# Allegro board LED_FIN.brd (continued)
## Placement (name value [footprint] x y rotation side) (continued)
D8173  0603_LED  [0603_SINGLE]  241.25 304 0 top
D8174  0603_LED  [0603_SINGLE]  243.25 304 0 top
D8175  0603_LED  [0603_SINGLE]  245.25 304 0 top
D8176  0603_LED  [0603_SINGLE]  247.25 304 0 top
D8177  0603_LED  [0603_SINGLE]  249.25 304 0 top
D8178  0603_LED  [0603_SINGLE]  251.25 304 0 top
D8179  0603_LED  [0603_SINGLE]  253.25 304 0 top
D8180  0603_LED  [0603_SINGLE]  255.25 304 0 top
D8181  0603_LED  [0603_SINGLE]  257.25 304 0 top
D8182  0603_LED  [0603_SINGLE]  259.25 304 0 top
D8183  0603_LED  [0603_SINGLE]  261.25 304 0 top
D8184  0603_LED  [0603_SINGLE]  263.25 304 0 top
D8185  0603_LED  [0603_SINGLE]  265.25 304 0 top
D8186  0603_LED  [0603_SINGLE]  267.25 304 0 top
D8187  0603_LED  [0603_SINGLE]  269.25 304 0 top
D8188  0603_LED  [0603_SINGLE]  271.25 304 0 top
D8189  0603_LED  [0603_SINGLE]  273.25 304 0 top
D8190  0603_LED  [0603_SINGLE]  275.25 304 0 top
D8191  0603_LED  [0603_SINGLE]  217.25 302 0 top
D8192  0603_LED  [0603_SINGLE]  219.25 302 0 top
D8193  0603_LED  [0603_SINGLE]  221.25 302 0 top
D8194  0603_LED  [0603_SINGLE]  223.25 302 0 top
D8195  0603_LED  [0603_SINGLE]  225.25 302 0 top
D8196  0603_LED  [0603_SINGLE]  227.25 302 0 top
D8197  0603_LED  [0603_SINGLE]  229.25 302 0 top
D8198  0603_LED  [0603_SINGLE]  231.25 302 0 top
D8199  0603_LED  [0603_SINGLE]  233.25 302 0 top
D8200  0603_LED  [0603_SINGLE]  235.25 302 0 top
D8201  0603_LED  [0603_SINGLE]  237.25 302 0 top
D8202  0603_LED  [0603_SINGLE]  239.25 302 0 top
D8203  0603_LED  [0603_SINGLE]  241.25 302 0 top
D8204  0603_LED  [0603_SINGLE]  243.25 302 0 top
D8205  0603_LED  [0603_SINGLE]  245.25 302 0 top
D8206  0603_LED  [0603_SINGLE]  247.25 302 0 top
D8207  0603_LED  [0603_SINGLE]  249.25 302 0 top
D8208  0603_LED  [0603_SINGLE]  251.25 302 0 top
D8209  0603_LED  [0603_SINGLE]  253.25 302 0 top
D8210  0603_LED  [0603_SINGLE]  255.25 302 0 top
D8211  0603_LED  [0603_SINGLE]  257.25 302 0 top
D8212  0603_LED  [0603_SINGLE]  259.25 302 0 top
D8213  0603_LED  [0603_SINGLE]  261.25 302 0 top
D8214  0603_LED  [0603_SINGLE]  263.25 302 0 top
D8215  0603_LED  [0603_SINGLE]  265.25 302 0 top
D8216  0603_LED  [0603_SINGLE]  267.25 302 0 top
D8217  0603_LED  [0603_SINGLE]  269.25 302 0 top
D8218  0603_LED  [0603_SINGLE]  271.25 302 0 top
D8219  0603_LED  [0603_SINGLE]  273.25 302 0 top
D8220  0603_LED  [0603_SINGLE]  275.25 302 0 top
D8221  0603_LED  [0603_SINGLE]  217.25 300 0 top
D8222  0603_LED  [0603_SINGLE]  219.25 300 0 top
D8223  0603_LED  [0603_SINGLE]  221.25 300 0 top
D8224  0603_LED  [0603_SINGLE]  223.25 300 0 top
D8225  0603_LED  [0603_SINGLE]  225.25 300 0 top
D8226  0603_LED  [0603_SINGLE]  227.25 300 0 top
D8227  0603_LED  [0603_SINGLE]  229.25 300 0 top
D8228  0603_LED  [0603_SINGLE]  231.25 300 0 top
D8229  0603_LED  [0603_SINGLE]  233.25 300 0 top
D8230  0603_LED  [0603_SINGLE]  235.25 300 0 top
D8231  0603_LED  [0603_SINGLE]  237.25 300 0 top
D8232  0603_LED  [0603_SINGLE]  239.25 300 0 top
D8233  0603_LED  [0603_SINGLE]  241.25 300 0 top
D8234  0603_LED  [0603_SINGLE]  243.25 300 0 top
D8235  0603_LED  [0603_SINGLE]  245.25 300 0 top
D8236  0603_LED  [0603_SINGLE]  247.25 300 0 top
D8237  0603_LED  [0603_SINGLE]  249.25 300 0 top
D8238  0603_LED  [0603_SINGLE]  251.25 300 0 top
D8239  0603_LED  [0603_SINGLE]  253.25 300 0 top
D8240  0603_LED  [0603_SINGLE]  255.25 300 0 top
D8241  0603_LED  [0603_SINGLE]  257.25 300 0 top
D8242  0603_LED  [0603_SINGLE]  259.25 300 0 top
D8243  0603_LED  [0603_SINGLE]  261.25 300 0 top
D8244  0603_LED  [0603_SINGLE]  263.25 300 0 top
D8245  0603_LED  [0603_SINGLE]  265.25 300 0 top
D8246  0603_LED  [0603_SINGLE]  267.25 300 0 top
D8247  0603_LED  [0603_SINGLE]  269.25 300 0 top
D8248  0603_LED  [0603_SINGLE]  271.25 300 0 top
D8249  0603_LED  [0603_SINGLE]  273.25 300 0 top
D8250  0603_LED  [0603_SINGLE]  275.25 300 0 top
D8251  0603_LED  [0603_SINGLE]  217.25 298 0 top
D8252  0603_LED  [0603_SINGLE]  219.25 298 0 top
D8253  0603_LED  [0603_SINGLE]  221.25 298 0 top
D8254  0603_LED  [0603_SINGLE]  223.25 298 0 top
D8255  0603_LED  [0603_SINGLE]  225.25 298 0 top
D8256  0603_LED  [0603_SINGLE]  227.25 298 0 top
D8257  0603_LED  [0603_SINGLE]  229.25 298 0 top
D8258  0603_LED  [0603_SINGLE]  231.25 298 0 top
D8259  0603_LED  [0603_SINGLE]  233.25 298 0 top
D8260  0603_LED  [0603_SINGLE]  235.25 298 0 top
D8261  0603_LED  [0603_SINGLE]  237.25 298 0 top
D8262  0603_LED  [0603_SINGLE]  239.25 298 0 top
D8263  0603_LED  [0603_SINGLE]  241.25 298 0 top
D8264  0603_LED  [0603_SINGLE]  243.25 298 0 top
D8265  0603_LED  [0603_SINGLE]  245.25 298 0 top
D8266  0603_LED  [0603_SINGLE]  247.25 298 0 top
D8267  0603_LED  [0603_SINGLE]  249.25 298 0 top
D8268  0603_LED  [0603_SINGLE]  251.25 298 0 top
D8269  0603_LED  [0603_SINGLE]  253.25 298 0 top
D8270  0603_LED  [0603_SINGLE]  255.25 298 0 top
D8271  0603_LED  [0603_SINGLE]  257.25 298 0 top
D8272  0603_LED  [0603_SINGLE]  259.25 298 0 top
D8273  0603_LED  [0603_SINGLE]  261.25 298 0 top
D8274  0603_LED  [0603_SINGLE]  263.25 298 0 top
D8275  0603_LED  [0603_SINGLE]  265.25 298 0 top
D8276  0603_LED  [0603_SINGLE]  267.25 298 0 top
D8277  0603_LED  [0603_SINGLE]  269.25 298 0 top
D8278  0603_LED  [0603_SINGLE]  271.25 298 0 top
D8279  0603_LED  [0603_SINGLE]  273.25 298 0 top
D8280  0603_LED  [0603_SINGLE]  275.25 298 0 top
D8281  0603_LED  [0603_SINGLE]  217.25 296 0 top
D8282  0603_LED  [0603_SINGLE]  219.25 296 0 top
D8283  0603_LED  [0603_SINGLE]  221.25 296 0 top
D8284  0603_LED  [0603_SINGLE]  223.25 296 0 top
D8285  0603_LED  [0603_SINGLE]  225.25 296 0 top
D8286  0603_LED  [0603_SINGLE]  227.25 296 0 top
D8287  0603_LED  [0603_SINGLE]  229.25 296 0 top
D8288  0603_LED  [0603_SINGLE]  231.25 296 0 top
D8289  0603_LED  [0603_SINGLE]  233.25 296 0 top
D8290  0603_LED  [0603_SINGLE]  235.25 296 0 top
D8291  0603_LED  [0603_SINGLE]  237.25 296 0 top
D8292  0603_LED  [0603_SINGLE]  239.25 296 0 top
D8293  0603_LED  [0603_SINGLE]  241.25 296 0 top
D8294  0603_LED  [0603_SINGLE]  243.25 296 0 top
D8295  0603_LED  [0603_SINGLE]  245.25 296 0 top
D8296  0603_LED  [0603_SINGLE]  247.25 296 0 top
D8297  0603_LED  [0603_SINGLE]  249.25 296 0 top
D8298  0603_LED  [0603_SINGLE]  251.25 296 0 top
D8299  0603_LED  [0603_SINGLE]  253.25 296 0 top
D8300  0603_LED  [0603_SINGLE]  255.25 296 0 top
D8301  0603_LED  [0603_SINGLE]  257.25 296 0 top
D8302  0603_LED  [0603_SINGLE]  259.25 296 0 top
D8303  0603_LED  [0603_SINGLE]  261.25 296 0 top
D8304  0603_LED  [0603_SINGLE]  263.25 296 0 top
D8305  0603_LED  [0603_SINGLE]  265.25 296 0 top
D8306  0603_LED  [0603_SINGLE]  267.25 296 0 top
D8307  0603_LED  [0603_SINGLE]  269.25 296 0 top
D8308  0603_LED  [0603_SINGLE]  271.25 296 0 top
D8309  0603_LED  [0603_SINGLE]  273.25 296 0 top
D8310  0603_LED  [0603_SINGLE]  275.25 296 0 top
D8311  0603_LED  [0603_SINGLE]  217.25 294 0 top
D8312  0603_LED  [0603_SINGLE]  219.25 294 0 top
D8313  0603_LED  [0603_SINGLE]  221.25 294 0 top
D8314  0603_LED  [0603_SINGLE]  223.25 294 0 top
D8315  0603_LED  [0603_SINGLE]  225.25 294 0 top
D8316  0603_LED  [0603_SINGLE]  227.25 294 0 top
D8317  0603_LED  [0603_SINGLE]  229.25 294 0 top
D8318  0603_LED  [0603_SINGLE]  231.25 294 0 top
D8319  0603_LED  [0603_SINGLE]  233.25 294 0 top
D8320  0603_LED  [0603_SINGLE]  235.25 294 0 top
D8321  0603_LED  [0603_SINGLE]  237.25 294 0 top
D8322  0603_LED  [0603_SINGLE]  239.25 294 0 top
D8323  0603_LED  [0603_SINGLE]  241.25 294 0 top
D8324  0603_LED  [0603_SINGLE]  243.25 294 0 top
D8325  0603_LED  [0603_SINGLE]  245.25 294 0 top
D8326  0603_LED  [0603_SINGLE]  247.25 294 0 top
D8327  0603_LED  [0603_SINGLE]  249.25 294 0 top
D8328  0603_LED  [0603_SINGLE]  251.25 294 0 top
D8329  0603_LED  [0603_SINGLE]  253.25 294 0 top
D8330  0603_LED  [0603_SINGLE]  255.25 294 0 top
D8331  0603_LED  [0603_SINGLE]  257.25 294 0 top
D8332  0603_LED  [0603_SINGLE]  259.25 294 0 top
D8333  0603_LED  [0603_SINGLE]  261.25 294 0 top
D8334  0603_LED  [0603_SINGLE]  263.25 294 0 top
D8335  0603_LED  [0603_SINGLE]  265.25 294 0 top
D8336  0603_LED  [0603_SINGLE]  267.25 294 0 top
D8337  0603_LED  [0603_SINGLE]  269.25 294 0 top
D8338  0603_LED  [0603_SINGLE]  271.25 294 0 top
D8339  0603_LED  [0603_SINGLE]  273.25 294 0 top
D8340  0603_LED  [0603_SINGLE]  275.25 294 0 top
D8341  0603_LED  [0603_SINGLE]  217.25 292 0 top
D8342  0603_LED  [0603_SINGLE]  219.25 292 0 top
D8343  0603_LED  [0603_SINGLE]  221.25 292 0 top
D8344  0603_LED  [0603_SINGLE]  223.25 292 0 top
D8345  0603_LED  [0603_SINGLE]  225.25 292 0 top
D8346  0603_LED  [0603_SINGLE]  227.25 292 0 top
D8347  0603_LED  [0603_SINGLE]  229.25 292 0 top
D8348  0603_LED  [0603_SINGLE]  231.25 292 0 top
D8349  0603_LED  [0603_SINGLE]  233.25 292 0 top
D8350  0603_LED  [0603_SINGLE]  235.25 292 0 top
D8351  0603_LED  [0603_SINGLE]  237.25 292 0 top
D8352  0603_LED  [0603_SINGLE]  239.25 292 0 top
D8353  0603_LED  [0603_SINGLE]  241.25 292 0 top
D8354  0603_LED  [0603_SINGLE]  243.25 292 0 top
D8355  0603_LED  [0603_SINGLE]  245.25 292 0 top
D8356  0603_LED  [0603_SINGLE]  247.25 292 0 top
D8357  0603_LED  [0603_SINGLE]  249.25 292 0 top
D8358  0603_LED  [0603_SINGLE]  251.25 292 0 top
D8359  0603_LED  [0603_SINGLE]  253.25 292 0 top
D8360  0603_LED  [0603_SINGLE]  255.25 292 0 top
D8361  0603_LED  [0603_SINGLE]  257.25 292 0 top
D8362  0603_LED  [0603_SINGLE]  259.25 292 0 top
D8363  0603_LED  [0603_SINGLE]  261.25 292 0 top
D8364  0603_LED  [0603_SINGLE]  263.25 292 0 top
D8365  0603_LED  [0603_SINGLE]  265.25 292 0 top
D8366  0603_LED  [0603_SINGLE]  267.25 292 0 top
D8367  0603_LED  [0603_SINGLE]  269.25 292 0 top
D8368  0603_LED  [0603_SINGLE]  271.25 292 0 top
D8369  0603_LED  [0603_SINGLE]  273.25 292 0 top
D8370  0603_LED  [0603_SINGLE]  275.25 292 0 top
D8371  0603_LED  [0603_SINGLE]  217.25 290 0 top
D8372  0603_LED  [0603_SINGLE]  219.25 290 0 top
D8373  0603_LED  [0603_SINGLE]  221.25 290 0 top
D8374  0603_LED  [0603_SINGLE]  223.25 290 0 top
D8375  0603_LED  [0603_SINGLE]  225.25 290 0 top
D8376  0603_LED  [0603_SINGLE]  227.25 290 0 top
D8377  0603_LED  [0603_SINGLE]  229.25 290 0 top
D8378  0603_LED  [0603_SINGLE]  231.25 290 0 top
D8379  0603_LED  [0603_SINGLE]  233.25 290 0 top
D8380  0603_LED  [0603_SINGLE]  235.25 290 0 top
D8381  0603_LED  [0603_SINGLE]  237.25 290 0 top
D8382  0603_LED  [0603_SINGLE]  239.25 290 0 top
D8383  0603_LED  [0603_SINGLE]  241.25 290 0 top
D8384  0603_LED  [0603_SINGLE]  243.25 290 0 top
D8385  0603_LED  [0603_SINGLE]  245.25 290 0 top
D8386  0603_LED  [0603_SINGLE]  247.25 290 0 top
D8387  0603_LED  [0603_SINGLE]  249.25 290 0 top
D8388  0603_LED  [0603_SINGLE]  251.25 290 0 top
D8389  0603_LED  [0603_SINGLE]  253.25 290 0 top
D8390  0603_LED  [0603_SINGLE]  255.25 290 0 top
D8391  0603_LED  [0603_SINGLE]  257.25 290 0 top
D8392  0603_LED  [0603_SINGLE]  259.25 290 0 top
D8393  0603_LED  [0603_SINGLE]  261.25 290 0 top
D8394  0603_LED  [0603_SINGLE]  263.25 290 0 top
D8395  0603_LED  [0603_SINGLE]  265.25 290 0 top
D8396  0603_LED  [0603_SINGLE]  267.25 290 0 top
D8397  0603_LED  [0603_SINGLE]  269.25 290 0 top
D8398  0603_LED  [0603_SINGLE]  271.25 290 0 top
D8399  0603_LED  [0603_SINGLE]  273.25 290 0 top
D8400  0603_LED  [0603_SINGLE]  275.25 290 0 top
D8401  0603_LED  [0603_SINGLE]  217.25 288 0 top
D8402  0603_LED  [0603_SINGLE]  219.25 288 0 top
D8403  0603_LED  [0603_SINGLE]  221.25 288 0 top
D8404  0603_LED  [0603_SINGLE]  223.25 288 0 top
D8405  0603_LED  [0603_SINGLE]  225.25 288 0 top
D8406  0603_LED  [0603_SINGLE]  227.25 288 0 top
D8407  0603_LED  [0603_SINGLE]  229.25 288 0 top
D8408  0603_LED  [0603_SINGLE]  231.25 288 0 top
D8409  0603_LED  [0603_SINGLE]  233.25 288 0 top
D8410  0603_LED  [0603_SINGLE]  235.25 288 0 top
D8411  0603_LED  [0603_SINGLE]  237.25 288 0 top
D8412  0603_LED  [0603_SINGLE]  239.25 288 0 top
D8413  0603_LED  [0603_SINGLE]  241.25 288 0 top
D8414  0603_LED  [0603_SINGLE]  243.25 288 0 top
D8415  0603_LED  [0603_SINGLE]  245.25 288 0 top
D8416  0603_LED  [0603_SINGLE]  247.25 288 0 top
D8417  0603_LED  [0603_SINGLE]  249.25 288 0 top
D8418  0603_LED  [0603_SINGLE]  251.25 288 0 top
D8419  0603_LED  [0603_SINGLE]  253.25 288 0 top
D8420  0603_LED  [0603_SINGLE]  255.25 288 0 top
D8421  0603_LED  [0603_SINGLE]  257.25 288 0 top
D8422  0603_LED  [0603_SINGLE]  259.25 288 0 top
D8423  0603_LED  [0603_SINGLE]  261.25 288 0 top
D8424  0603_LED  [0603_SINGLE]  263.25 288 0 top
D8425  0603_LED  [0603_SINGLE]  265.25 288 0 top
D8426  0603_LED  [0603_SINGLE]  267.25 288 0 top
D8427  0603_LED  [0603_SINGLE]  269.25 288 0 top
D8428  0603_LED  [0603_SINGLE]  271.25 288 0 top
D8429  0603_LED  [0603_SINGLE]  273.25 288 0 top
D8430  0603_LED  [0603_SINGLE]  275.25 288 0 top
D8431  0603_LED  [0603_SINGLE]  217.25 286 0 top
D8432  0603_LED  [0603_SINGLE]  219.25 286 0 top
D8433  0603_LED  [0603_SINGLE]  221.25 286 0 top
D8434  0603_LED  [0603_SINGLE]  223.25 286 0 top
D8435  0603_LED  [0603_SINGLE]  225.25 286 0 top
D8436  0603_LED  [0603_SINGLE]  227.25 286 0 top
D8437  0603_LED  [0603_SINGLE]  229.25 286 0 top
D8438  0603_LED  [0603_SINGLE]  231.25 286 0 top
D8439  0603_LED  [0603_SINGLE]  233.25 286 0 top
D8440  0603_LED  [0603_SINGLE]  235.25 286 0 top
D8441  0603_LED  [0603_SINGLE]  237.25 286 0 top
D8442  0603_LED  [0603_SINGLE]  239.25 286 0 top
D8443  0603_LED  [0603_SINGLE]  241.25 286 0 top
D8444  0603_LED  [0603_SINGLE]  243.25 286 0 top
D8445  0603_LED  [0603_SINGLE]  245.25 286 0 top
D8446  0603_LED  [0603_SINGLE]  247.25 286 0 top
D8447  0603_LED  [0603_SINGLE]  249.25 286 0 top
D8448  0603_LED  [0603_SINGLE]  251.25 286 0 top
D8449  0603_LED  [0603_SINGLE]  253.25 286 0 top
D8450  0603_LED  [0603_SINGLE]  255.25 286 0 top
D8451  0603_LED  [0603_SINGLE]  257.25 286 0 top
D8452  0603_LED  [0603_SINGLE]  259.25 286 0 top
D8453  0603_LED  [0603_SINGLE]  261.25 286 0 top
D8454  0603_LED  [0603_SINGLE]  263.25 286 0 top
D8455  0603_LED  [0603_SINGLE]  265.25 286 0 top
D8456  0603_LED  [0603_SINGLE]  267.25 286 0 top
D8457  0603_LED  [0603_SINGLE]  269.25 286 0 top
D8458  0603_LED  [0603_SINGLE]  271.25 286 0 top
D8459  0603_LED  [0603_SINGLE]  273.25 286 0 top
D8460  0603_LED  [0603_SINGLE]  275.25 286 0 top
D8461  0603_LED  [0603_SINGLE]  217.25 284 0 top
D8462  0603_LED  [0603_SINGLE]  219.25 284 0 top
D8463  0603_LED  [0603_SINGLE]  221.25 284 0 top
D8464  0603_LED  [0603_SINGLE]  223.25 284 0 top
D8465  0603_LED  [0603_SINGLE]  225.25 284 0 top
D8466  0603_LED  [0603_SINGLE]  227.25 284 0 top
D8467  0603_LED  [0603_SINGLE]  229.25 284 0 top
D8468  0603_LED  [0603_SINGLE]  231.25 284 0 top
D8469  0603_LED  [0603_SINGLE]  233.25 284 0 top
D8470  0603_LED  [0603_SINGLE]  235.25 284 0 top
D8471  0603_LED  [0603_SINGLE]  237.25 284 0 top
D8472  0603_LED  [0603_SINGLE]  239.25 284 0 top
D8473  0603_LED  [0603_SINGLE]  241.25 284 0 top
D8474  0603_LED  [0603_SINGLE]  243.25 284 0 top
D8475  0603_LED  [0603_SINGLE]  245.25 284 0 top
D8476  0603_LED  [0603_SINGLE]  247.25 284 0 top
D8477  0603_LED  [0603_SINGLE]  249.25 284 0 top
D8478  0603_LED  [0603_SINGLE]  251.25 284 0 top
D8479  0603_LED  [0603_SINGLE]  253.25 284 0 top
D8480  0603_LED  [0603_SINGLE]  255.25 284 0 top
D8481  0603_LED  [0603_SINGLE]  257.25 284 0 top
D8482  0603_LED  [0603_SINGLE]  259.25 284 0 top
D8483  0603_LED  [0603_SINGLE]  261.25 284 0 top
D8484  0603_LED  [0603_SINGLE]  263.25 284 0 top
D8485  0603_LED  [0603_SINGLE]  265.25 284 0 top
D8486  0603_LED  [0603_SINGLE]  267.25 284 0 top
D8487  0603_LED  [0603_SINGLE]  269.25 284 0 top
D8488  0603_LED  [0603_SINGLE]  271.25 284 0 top
D8489  0603_LED  [0603_SINGLE]  273.25 284 0 top
D8490  0603_LED  [0603_SINGLE]  275.25 284 0 top
D8491  0603_LED  [0603_SINGLE]  217.25 282 0 top
D8492  0603_LED  [0603_SINGLE]  219.25 282 0 top
D8493  0603_LED  [0603_SINGLE]  221.25 282 0 top
D8494  0603_LED  [0603_SINGLE]  223.25 282 0 top
D8495  0603_LED  [0603_SINGLE]  225.25 282 0 top
D8496  0603_LED  [0603_SINGLE]  227.25 282 0 top
D8497  0603_LED  [0603_SINGLE]  229.25 282 0 top
D8498  0603_LED  [0603_SINGLE]  231.25 282 0 top
D8499  0603_LED  [0603_SINGLE]  233.25 282 0 top
D8500  0603_LED  [0603_SINGLE]  235.25 282 0 top
D8501  0603_LED  [0603_SINGLE]  237.25 282 0 top
D8502  0603_LED  [0603_SINGLE]  239.25 282 0 top
D8503  0603_LED  [0603_SINGLE]  241.25 282 0 top
D8504  0603_LED  [0603_SINGLE]  243.25 282 0 top
D8505  0603_LED  [0603_SINGLE]  245.25 282 0 top
D8506  0603_LED  [0603_SINGLE]  247.25 282 0 top
D8507  0603_LED  [0603_SINGLE]  249.25 282 0 top
D8508  0603_LED  [0603_SINGLE]  251.25 282 0 top
D8509  0603_LED  [0603_SINGLE]  253.25 282 0 top
D8510  0603_LED  [0603_SINGLE]  255.25 282 0 top
D8511  0603_LED  [0603_SINGLE]  257.25 282 0 top
D8512  0603_LED  [0603_SINGLE]  259.25 282 0 top
D8513  0603_LED  [0603_SINGLE]  261.25 282 0 top
D8514  0603_LED  [0603_SINGLE]  263.25 282 0 top
D8515  0603_LED  [0603_SINGLE]  265.25 282 0 top
D8516  0603_LED  [0603_SINGLE]  267.25 282 0 top
D8517  0603_LED  [0603_SINGLE]  269.25 282 0 top
D8518  0603_LED  [0603_SINGLE]  271.25 282 0 top
D8519  0603_LED  [0603_SINGLE]  273.25 282 0 top
D8520  0603_LED  [0603_SINGLE]  275.25 282 0 top
D8521  0603_LED  [0603_SINGLE]  217.25 280 0 top
D8522  0603_LED  [0603_SINGLE]  219.25 280 0 top
D8523  0603_LED  [0603_SINGLE]  221.25 280 0 top
D8524  0603_LED  [0603_SINGLE]  223.25 280 0 top
D8525  0603_LED  [0603_SINGLE]  225.25 280 0 top
D8526  0603_LED  [0603_SINGLE]  227.25 280 0 top
D8527  0603_LED  [0603_SINGLE]  229.25 280 0 top
D8528  0603_LED  [0603_SINGLE]  231.25 280 0 top
D8529  0603_LED  [0603_SINGLE]  233.25 280 0 top
D8530  0603_LED  [0603_SINGLE]  235.25 280 0 top
D8531  0603_LED  [0603_SINGLE]  237.25 280 0 top
D8532  0603_LED  [0603_SINGLE]  239.25 280 0 top
D8533  0603_LED  [0603_SINGLE]  241.25 280 0 top
D8534  0603_LED  [0603_SINGLE]  243.25 280 0 top
D8535  0603_LED  [0603_SINGLE]  245.25 280 0 top
D8536  0603_LED  [0603_SINGLE]  247.25 280 0 top
D8537  0603_LED  [0603_SINGLE]  249.25 280 0 top
D8538  0603_LED  [0603_SINGLE]  251.25 280 0 top
D8539  0603_LED  [0603_SINGLE]  253.25 280 0 top
D8540  0603_LED  [0603_SINGLE]  255.25 280 0 top
D8541  0603_LED  [0603_SINGLE]  257.25 280 0 top
D8542  0603_LED  [0603_SINGLE]  259.25 280 0 top
D8543  0603_LED  [0603_SINGLE]  261.25 280 0 top
D8544  0603_LED  [0603_SINGLE]  263.25 280 0 top
D8545  0603_LED  [0603_SINGLE]  265.25 280 0 top
D8546  0603_LED  [0603_SINGLE]  267.25 280 0 top
D8547  0603_LED  [0603_SINGLE]  269.25 280 0 top
D8548  0603_LED  [0603_SINGLE]  271.25 280 0 top
D8549  0603_LED  [0603_SINGLE]  273.25 280 0 top
D8550  0603_LED  [0603_SINGLE]  275.25 280 0 top
D8551  0603_LED  [0603_SINGLE]  217.25 278 0 top
D8552  0603_LED  [0603_SINGLE]  219.25 278 0 top
D8553  0603_LED  [0603_SINGLE]  221.25 278 0 top
D8554  0603_LED  [0603_SINGLE]  223.25 278 0 top
D8555  0603_LED  [0603_SINGLE]  225.25 278 0 top
D8556  0603_LED  [0603_SINGLE]  227.25 278 0 top
D8557  0603_LED  [0603_SINGLE]  229.25 278 0 top
D8558  0603_LED  [0603_SINGLE]  231.25 278 0 top
D8559  0603_LED  [0603_SINGLE]  233.25 278 0 top
D8560  0603_LED  [0603_SINGLE]  235.25 278 0 top
D8561  0603_LED  [0603_SINGLE]  237.25 278 0 top
D8562  0603_LED  [0603_SINGLE]  239.25 278 0 top
D8563  0603_LED  [0603_SINGLE]  241.25 278 0 top
D8564  0603_LED  [0603_SINGLE]  243.25 278 0 top
D8565  0603_LED  [0603_SINGLE]  245.25 278 0 top
D8566  0603_LED  [0603_SINGLE]  247.25 278 0 top
D8567  0603_LED  [0603_SINGLE]  249.25 278 0 top
D8568  0603_LED  [0603_SINGLE]  251.25 278 0 top
D8569  0603_LED  [0603_SINGLE]  253.25 278 0 top
D8570  0603_LED  [0603_SINGLE]  255.25 278 0 top
D8571  0603_LED  [0603_SINGLE]  257.25 278 0 top
D8572  0603_LED  [0603_SINGLE]  259.25 278 0 top
D8573  0603_LED  [0603_SINGLE]  261.25 278 0 top
D8574  0603_LED  [0603_SINGLE]  263.25 278 0 top
D8575  0603_LED  [0603_SINGLE]  265.25 278 0 top
D8576  0603_LED  [0603_SINGLE]  267.25 278 0 top
D8577  0603_LED  [0603_SINGLE]  269.25 278 0 top
D8578  0603_LED  [0603_SINGLE]  271.25 278 0 top
D8579  0603_LED  [0603_SINGLE]  273.25 278 0 top
D8580  0603_LED  [0603_SINGLE]  275.25 278 0 top
D8581  0603_LED  [0603_SINGLE]  217.25 276 0 top
D8582  0603_LED  [0603_SINGLE]  219.25 276 0 top
D8583  0603_LED  [0603_SINGLE]  221.25 276 0 top
D8584  0603_LED  [0603_SINGLE]  223.25 276 0 top
D8585  0603_LED  [0603_SINGLE]  225.25 276 0 top
D8586  0603_LED  [0603_SINGLE]  227.25 276 0 top
D8587  0603_LED  [0603_SINGLE]  229.25 276 0 top
D8588  0603_LED  [0603_SINGLE]  231.25 276 0 top
D8589  0603_LED  [0603_SINGLE]  233.25 276 0 top
D8590  0603_LED  [0603_SINGLE]  235.25 276 0 top
D8591  0603_LED  [0603_SINGLE]  237.25 276 0 top
D8592  0603_LED  [0603_SINGLE]  239.25 276 0 top
D8593  0603_LED  [0603_SINGLE]  241.25 276 0 top
D8594  0603_LED  [0603_SINGLE]  243.25 276 0 top
D8595  0603_LED  [0603_SINGLE]  245.25 276 0 top
D8596  0603_LED  [0603_SINGLE]  247.25 276 0 top
D8597  0603_LED  [0603_SINGLE]  249.25 276 0 top
D8598  0603_LED  [0603_SINGLE]  251.25 276 0 top
D8599  0603_LED  [0603_SINGLE]  253.25 276 0 top
D8600  0603_LED  [0603_SINGLE]  255.25 276 0 top
D8601  0603_LED  [0603_SINGLE]  257.25 276 0 top
D8602  0603_LED  [0603_SINGLE]  259.25 276 0 top
D8603  0603_LED  [0603_SINGLE]  261.25 276 0 top
D8604  0603_LED  [0603_SINGLE]  263.25 276 0 top
D8605  0603_LED  [0603_SINGLE]  265.25 276 0 top
D8606  0603_LED  [0603_SINGLE]  267.25 276 0 top
D8607  0603_LED  [0603_SINGLE]  269.25 276 0 top
D8608  0603_LED  [0603_SINGLE]  271.25 276 0 top
D8609  0603_LED  [0603_SINGLE]  273.25 276 0 top
D8610  0603_LED  [0603_SINGLE]  275.25 276 0 top
D8611  0603_LED  [0603_SINGLE]  217.25 274 0 top
D8612  0603_LED  [0603_SINGLE]  219.25 274 0 top
D8613  0603_LED  [0603_SINGLE]  221.25 274 0 top
D8614  0603_LED  [0603_SINGLE]  223.25 274 0 top
D8615  0603_LED  [0603_SINGLE]  225.25 274 0 top
D8616  0603_LED  [0603_SINGLE]  227.25 274 0 top
D8617  0603_LED  [0603_SINGLE]  229.25 274 0 top
D8618  0603_LED  [0603_SINGLE]  231.25 274 0 top
D8619  0603_LED  [0603_SINGLE]  233.25 274 0 top
D8620  0603_LED  [0603_SINGLE]  235.25 274 0 top
D8621  0603_LED  [0603_SINGLE]  237.25 274 0 top
D8622  0603_LED  [0603_SINGLE]  239.25 274 0 top
D8623  0603_LED  [0603_SINGLE]  241.25 274 0 top
D8624  0603_LED  [0603_SINGLE]  243.25 274 0 top
D8625  0603_LED  [0603_SINGLE]  245.25 274 0 top
D8626  0603_LED  [0603_SINGLE]  247.25 274 0 top
D8627  0603_LED  [0603_SINGLE]  249.25 274 0 top
D8628  0603_LED  [0603_SINGLE]  251.25 274 0 top
D8629  0603_LED  [0603_SINGLE]  253.25 274 0 top
D8630  0603_LED  [0603_SINGLE]  255.25 274 0 top
D8631  0603_LED  [0603_SINGLE]  257.25 274 0 top
D8632  0603_LED  [0603_SINGLE]  259.25 274 0 top
D8633  0603_LED  [0603_SINGLE]  261.25 274 0 top
D8634  0603_LED  [0603_SINGLE]  263.25 274 0 top
D8635  0603_LED  [0603_SINGLE]  265.25 274 0 top
D8636  0603_LED  [0603_SINGLE]  267.25 274 0 top
D8637  0603_LED  [0603_SINGLE]  269.25 274 0 top
D8638  0603_LED  [0603_SINGLE]  271.25 274 0 top
D8639  0603_LED  [0603_SINGLE]  273.25 274 0 top
D8640  0603_LED  [0603_SINGLE]  275.25 274 0 top
D8641  0603_LED  [0603_SINGLE]  217.25 272 0 top
D8642  0603_LED  [0603_SINGLE]  219.25 272 0 top
D8643  0603_LED  [0603_SINGLE]  221.25 272 0 top
D8644  0603_LED  [0603_SINGLE]  223.25 272 0 top
D8645  0603_LED  [0603_SINGLE]  225.25 272 0 top
D8646  0603_LED  [0603_SINGLE]  227.25 272 0 top
D8647  0603_LED  [0603_SINGLE]  229.25 272 0 top
D8648  0603_LED  [0603_SINGLE]  231.25 272 0 top
D8649  0603_LED  [0603_SINGLE]  233.25 272 0 top
D8650  0603_LED  [0603_SINGLE]  235.25 272 0 top
D8651  0603_LED  [0603_SINGLE]  237.25 272 0 top
D8652  0603_LED  [0603_SINGLE]  239.25 272 0 top
D8653  0603_LED  [0603_SINGLE]  241.25 272 0 top
D8654  0603_LED  [0603_SINGLE]  243.25 272 0 top
D8655  0603_LED  [0603_SINGLE]  245.25 272 0 top
D8656  0603_LED  [0603_SINGLE]  247.25 272 0 top
D8657  0603_LED  [0603_SINGLE]  249.25 272 0 top
D8658  0603_LED  [0603_SINGLE]  251.25 272 0 top
D8659  0603_LED  [0603_SINGLE]  253.25 272 0 top
D8660  0603_LED  [0603_SINGLE]  255.25 272 0 top
D8661  0603_LED  [0603_SINGLE]  257.25 272 0 top
D8662  0603_LED  [0603_SINGLE]  259.25 272 0 top
D8663  0603_LED  [0603_SINGLE]  261.25 272 0 top
D8664  0603_LED  [0603_SINGLE]  263.25 272 0 top
D8665  0603_LED  [0603_SINGLE]  265.25 272 0 top
D8666  0603_LED  [0603_SINGLE]  267.25 272 0 top
D8667  0603_LED  [0603_SINGLE]  269.25 272 0 top
D8668  0603_LED  [0603_SINGLE]  271.25 272 0 top
D8669  0603_LED  [0603_SINGLE]  273.25 272 0 top
D8670  0603_LED  [0603_SINGLE]  275.25 272 0 top
D8671  0603_LED  [0603_SINGLE]  217.25 270 0 top
D8672  0603_LED  [0603_SINGLE]  219.25 270 0 top
D8673  0603_LED  [0603_SINGLE]  221.25 270 0 top
D8674  0603_LED  [0603_SINGLE]  223.25 270 0 top
D8675  0603_LED  [0603_SINGLE]  225.25 270 0 top
D8676  0603_LED  [0603_SINGLE]  227.25 270 0 top
D8677  0603_LED  [0603_SINGLE]  229.25 270 0 top
D8678  0603_LED  [0603_SINGLE]  231.25 270 0 top
D8679  0603_LED  [0603_SINGLE]  233.25 270 0 top
D8680  0603_LED  [0603_SINGLE]  235.25 270 0 top